# Altium PCB STeaMi-VerB1.PcbDoc (part 4 of 5)
Units mm, origin at the board's own origin, x right, y up, seen from the top; angles counter-clockwise.
Board outline 61.3 x 91.91 mm, 4 copper layers (Top Layer, Mid-Layer 1, Mid-Layer 2, Bottom Layer), stack 1.573 mm thick; 370 components, 209 nets, 1141 pads, 566 vias.
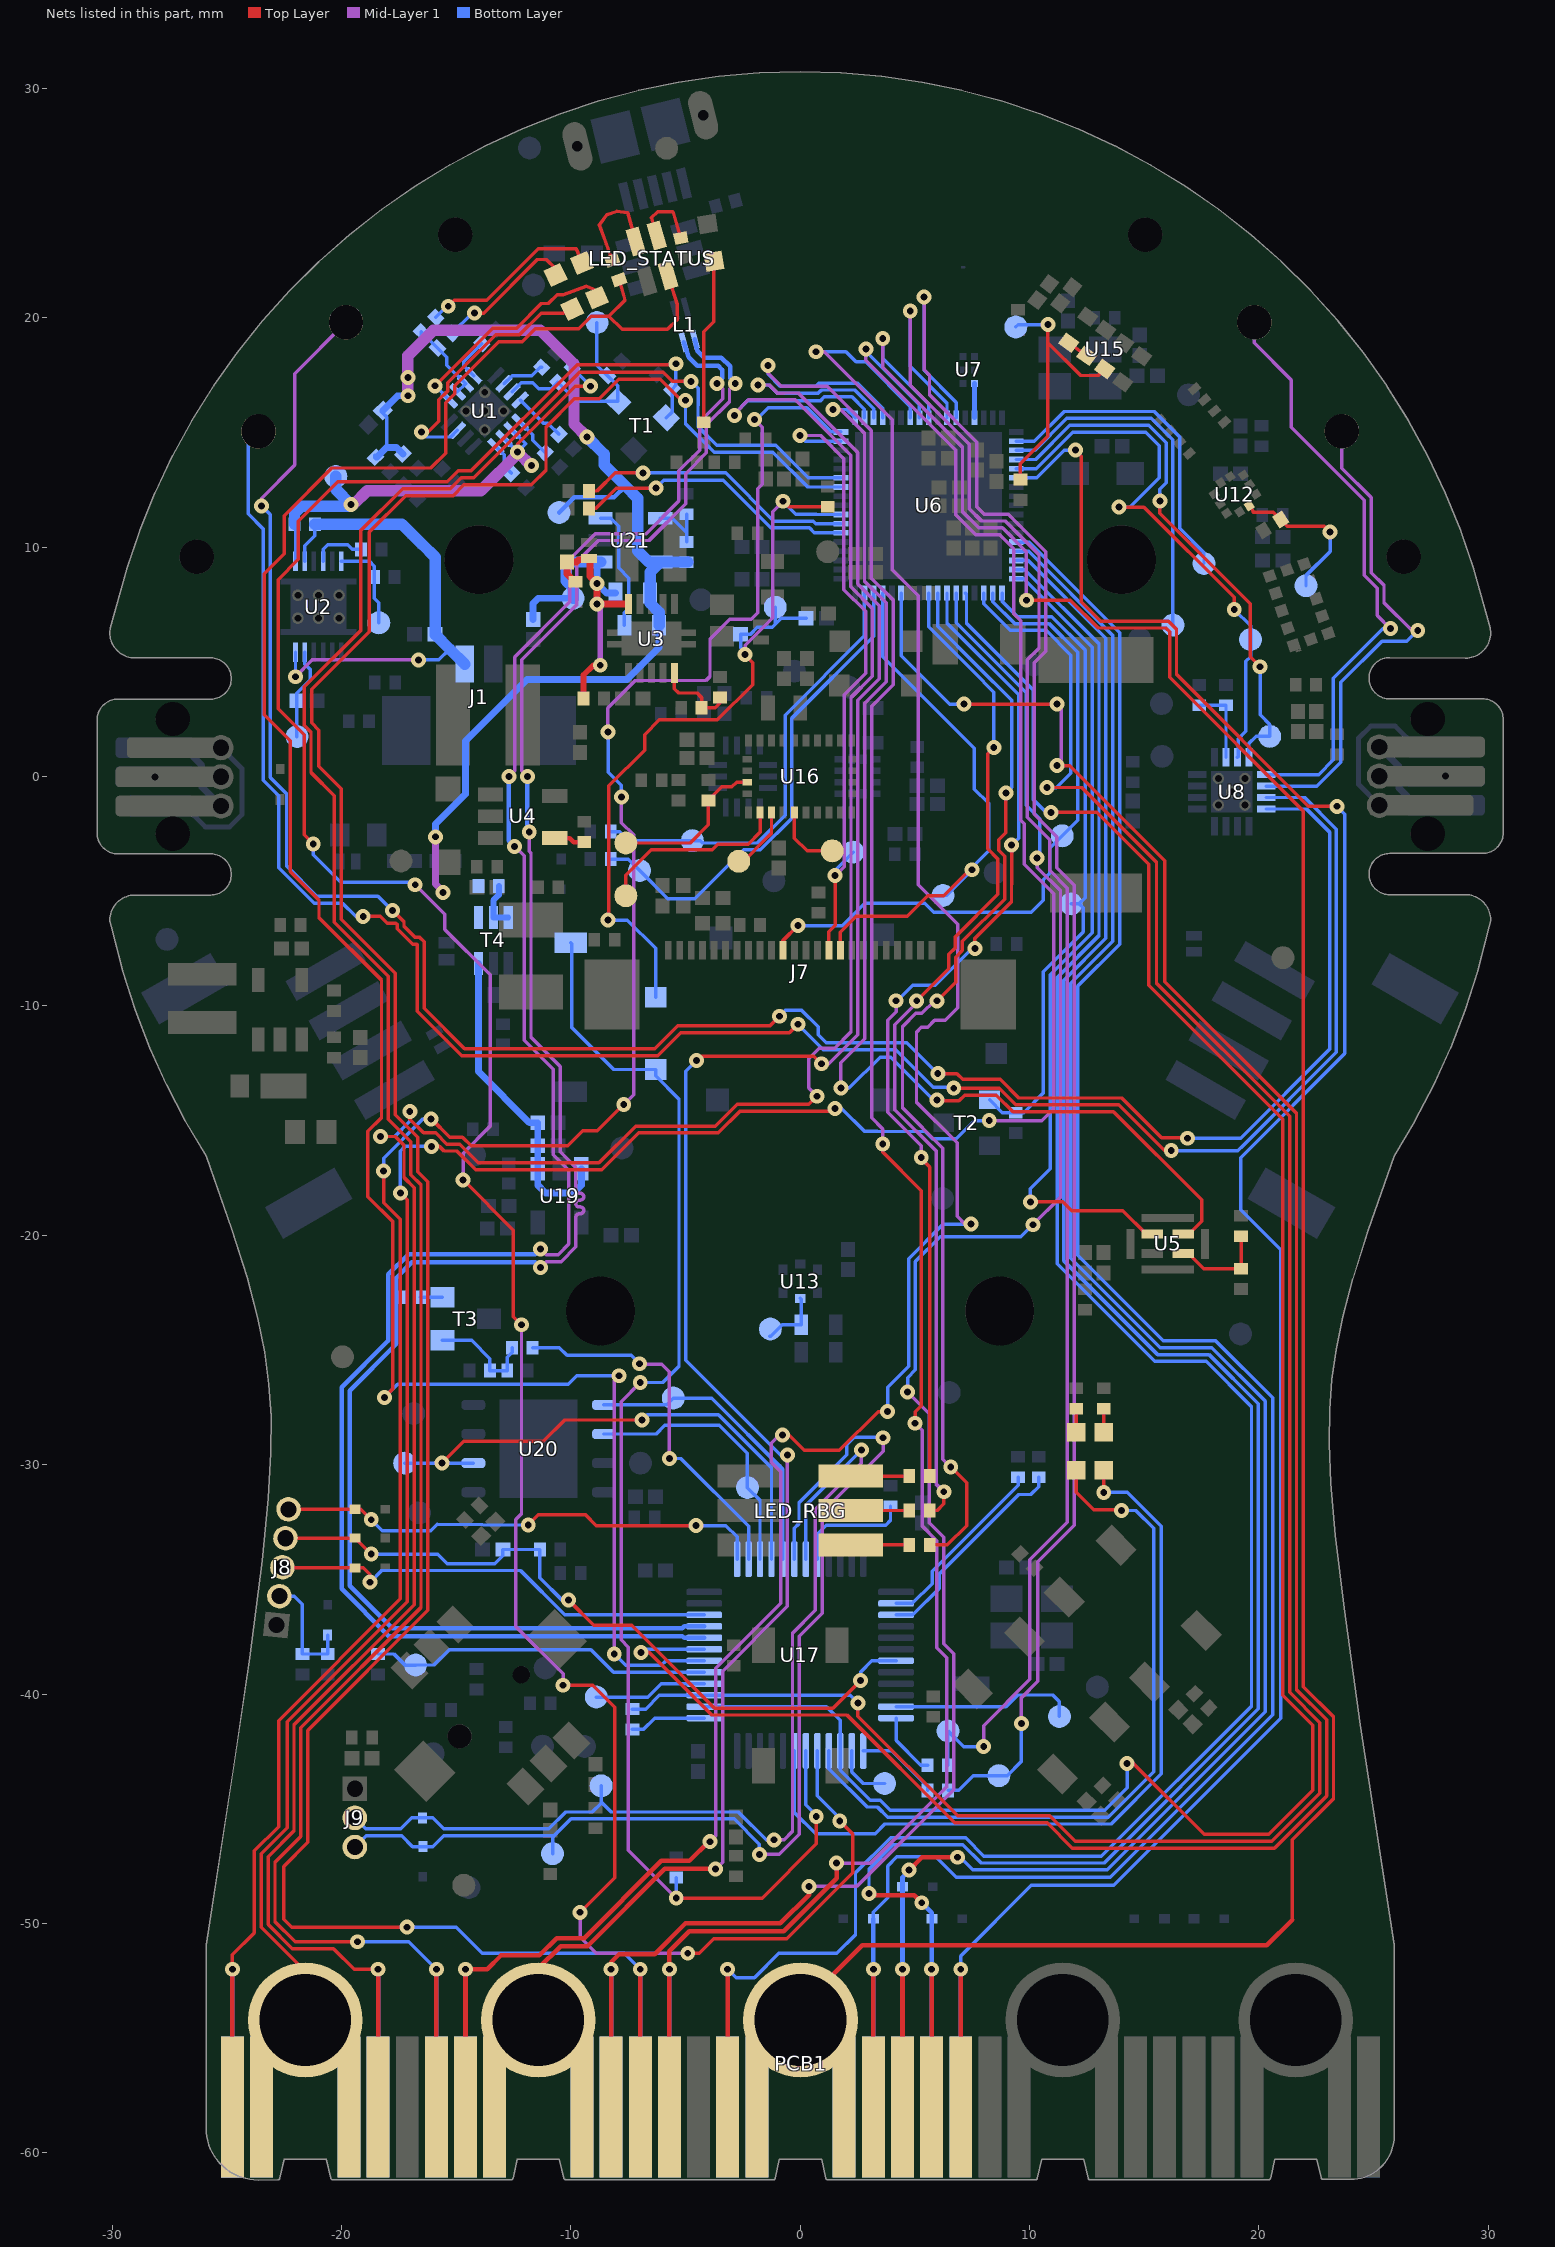
[diagram p6: the nets of this part, all layers, seen from the top]

## Via types
v1: diameter 0.65, hole 0.3, Top Layer to Bottom Layer, tented both sides, 562 vias
v2: diameter 0.65, hole 0.3, Top Layer to Bottom Layer, 4 vias

## Nets (pads, with @x,y where several pads share a name; then routed paths per layer and width w, separated by ;. In a path a pad name is that pad's centre, name@x,y a point inside that pad or via, vN(x,y) a via of type N, cw(c..) or ccw(c..) an arc to the next point about the centre after c; other vN are vias at no path point) (continued)
NetLED1_A: LED1.A R1.1 | length 6.3
  Top Layer w0.15: v1(-14.2,20.2) -13.8,20.2 -11.461,22.539 -11.074,22.539 -10.663,22.128 LED1.A@-10.663,21.863
  Bottom Layer w0.15: R1.1@-15.185,19.315 -14.3,20.2 v1(-14.2,20.2)
NetLED1_K: LED1.K U1.7 | length 11.3
  Top Layer w0.15: v1(-16.5,15.012) -16.228,15.012 -15.75,15.49 -15.75,16.416 -15.362,16.804 -15.362,17.157 -13.271,19.248 -12.236,19.248 -11.29,20.193 -10.338,20.193 LED1.K@-9.94,20.38
  Bottom Layer w0.15: v1(-16.5,15.012) -16.288,14.8 -15.233,14.8 U1.7@-14.941,15.092
NetLED_BLE_A: LED_BLE.A R64.2 | length 7.2
  Top Layer w0.15: R64.2@-4.2,15.445 -4.207,15.452 -4.207,19.383 -3.759,19.831 LED_BLE.A@-3.759,22.463
NetLED_CHG_A: LED_CHG.A R53.2 | length 8
  Top Layer w0.15: v1(-15.34,20.5) -15.088,20.753 -13.672,20.753 -11.424,23 -9.763,23 ; -9.75,23 -9.763,23 ; LED_CHG.A@-9.504,22.391 -9.763,23
  Bottom Layer w0.15: R53.2@-15.885,20.015 -15.4,20.5 v1(-15.34,20.5)
NetLED_CHG_K: LED_CHG.K U1.9 | length 9.9
  Top Layer w0.15: v1(-15.912,17.032) -13.396,19.548 -12.36,19.548 -11.289,20.619 -10.979,20.619 -10.598,21 -10.338,21 -9.319,21.371 -9.02,21.25 LED_CHG.K@-8.86,20.872
  Bottom Layer w0.15: v1(-15.912,17.032) U1.9@-15.295,16.414
NetLED_COM_A: LED_COM.A R55.2 | length 1
  Top Layer w0.15: LED_COM.A@13.234,-28.593 R55.2@13.234,-27.563
NetLED_COM_K: LED_COM.K U17.19 | length 35
  Top Layer w0.15: v1(13.234,-31.208) LED_COM.K@13.234,-30.243
  Bottom Layer w0.15: U17.19@-0.25,-42.48 -0.25,-45.164 0.672,-46.086 3.273,-46.086 3.692,-45.667 13.56,-45.667 15.748,-43.479 15.748,-32.692 14.263,-31.208 v1(13.234,-31.208)
NetLED_DAP_A: LED_DAP.A R54.2 | length 1
  Top Layer w0.15: LED_DAP.A@12.034,-28.593 R54.2@12.034,-27.563
NetLED_DAP_K: LED_DAP.K U17.16 | length 32.2
  Top Layer w0.15: LED_DAP.K@12.034,-30.243 12.034,-31.203 12.796,-31.965 13.965,-31.965 v1(14,-32)
  Bottom Layer w0.15: U17.16@1.25,-42.48 1.25,-43.252 2.923,-44.925 3.37,-44.925 3.812,-45.367 13.436,-45.367 15.406,-43.397 15.406,-32.775 14.631,-32 v1(14,-32)
NetLED_RBG_2: LED_RBG.2 R67.2 | length 2.6
  Top Layer w0.15: LED_RBG.2@2.2,-30.5 R67.2@4.755,-30.5
NetLED_RBG_4: LED_RBG.4 R65.2 | length 2.6
  Top Layer w0.15: LED_RBG.4@2.2,-32 R65.2@4.755,-32
NetLED_RBG_6: LED_RBG.6 R66.2 | length 2.6
  Top Layer w0.15: LED_RBG.6@2.2,-33.5 R66.2@4.755,-33.5
NetLED_STATUS_A1: LED_STATUS.A1 R58.2 | length 4.4
  Top Layer w0.15: R58.2@-8.19,22.501 -8.448,23.21 -8.756,24.056 -8.432,24.489 -8.004,24.632 -7.514,24.577 LED_STATUS.A1@-7.168,23.321
NetLED_STATUS_A2: LED_STATUS.A2 R61.2 | length 3.1
  Top Layer w0.15: LED_STATUS.A2@-6.254,23.583 -6.483,24.352 -6.207,24.628 -5.548,24.628 R61.2@-5.204,23.475
NetLED_STATUS_K2: LED_STATUS.K2 R58.1 U17.30 | length 95.4
  Top Layer w0.15: v1(-18.123,-27.07) -17.752,-26.699 -17.752,-19.412 -18.85,-18.314 -18.85,-15.467 -18.253,-14.87 -18.253,-8.873 -20.976,-6.15 -20.976,-5.39 -22.224,-4.141 -22.224,1.562 -23.361,2.699 -23.361,8.834 -22.485,9.711 -22.485,11.375 -20.412,13.447 -16.097,13.447 -15.45,14.094 -15.45,16.292 -15.062,16.679 -15.062,17.033 -13.147,18.948 -12.111,18.948 -11.544,19.516 -9.652,19.516 -9.102,20.066 -8.34,20.066 ; R58.1@-7.885,21.665 -7.638,20.768 -8.34,20.066 ; LED_STATUS.K2@-5.759,21.852 -5.354,20.595 -5.354,19.92 -5.783,19.491 -7.765,19.491 -8.34,20.066
  Mid-Layer 1 w0.15: v1(-8.105,-38.255) -8.105,-26.334 v1(-7.897,-26.126)
  Bottom Layer w0.15: v1(-18.123,-27.07) -17.553,-26.5 -10.117,-26.5 -9.743,-26.126 v1(-7.897,-26.126) ; v1(-8.105,-38.255) -7.61,-38.75 -6.05,-38.75 -5.85,-38.55 U17.30@-4.18,-38.55
NetPCB1_P0: PCB1.P0 U6.25 | length 111.8
  Top Layer w0.15: PCB1.P0@-21.575,-52.324 -21.575,-52.091 -23.495,-50.171 -23.495,-46.965 -22.367,-45.836 -22.367,-41.216 -17.13,-35.979 -17.13,-18.461 v1(-17.43,-18.161) ; v1(-16.079,-16.129) -15.725,-16.129 -15.528,-16.326 -14.969,-16.326 -14.151,-17.145 -8.647,-17.145 -7.043,-15.54 -3.578,-15.54 -2.625,-14.587 1.415,-14.587 v1(1.524,-14.478)
  Mid-Layer 1 w0.15: v1(2.866,18.634) 2.866,18.142 6.777,14.231 6.777,11.416 7.655,10.538 8.695,10.538 9.313,9.92 9.313,7.087 9.608,6.792 9.608,0.516 9.607,-1.903 9.766,-2.061 9.766,-3.83 11.049,-5.113 11.049,-14.489 10.538,-15 v1(8.242,-15)
  Bottom Layer w0.15: PCB1.P0@-21.6,-54.189 PCB1.P0@-21.575,-54.214 ; v1(-17.43,-18.161) -17.43,-16.33 -17.229,-16.129 v1(-16.079,-16.129) ; v1(1.524,-14.478) 1.821,-14.478 2.818,-15.475 3.371,-15.475 3.372,-15.476 5.451,-15.476 5.764,-15.79 6.802,-15.79 7.593,-15 v1(8.242,-15) ; v1(2.866,18.634) 2.866,18.54 5.2,16.206 U6.25@5.2,15.64
NetPCB1_P1: PCB1.P1 U6.20 | length 96.4
  Top Layer w0.15: v1(-4.511,-12.385) -4.318,-12.192 0.599,-12.192 v1(0.93,-12.523)
  Top Layer w0.2: PCB1.P1@-11.415,-54.214 -11.415,-51.962 -10.444,-50.991 -9.272,-50.991 -5.906,-47.625 v1(-3.683,-47.625)
  Mid-Layer 1 w0.15: v1(-3.683,-47.625) -3.383,-47.325 -3.383,-39 -0.556,-36.173 v1(-0.556,-29.573) ; v1(-1.838,17.068) -1.353,17.068 -1.002,16.716 -0.705,16.716 -0.704,16.718 -0.09,16.718 2.505,14.123 2.505,8.392 3.451,7.447 3.451,4.253 2.515,3.317 2.515,-11.26 1.252,-12.523 v1(0.93,-12.523)
  Bottom Layer w0.15: v1(-4.511,-12.385) -4.984,-12.858 -4.984,-25.455 -2.153,-28.285 ; -2.153,-28.285 -2.083,-28.355 -0.593,-29.845 -0.556,-29.808 v1(-0.556,-29.573) ; v1(-1.838,17.068) -1.353,17.068 -1.002,16.716 0.797,16.716 0.93,16.85 2.382,16.85 3.2,16.032 U6.20@3.2,15.64
NetPCB1_P2: PCB1.P2 U6.26 | length 109.2
  Top Layer w0.15: v1(9.863,7.684) 11.776,7.684 12.988,6.472 15.933,6.472 16.105,6.301 16.105,4.328 21.937,-1.504 21.937,-39.682 23.25,-40.995 23.25,-44.57 21.461,-46.359 21.461,-49.839
  Top Layer w0.2: PCB1.P2@0.015,-54.214 0.015,-53.639 2.7,-50.954 20.346,-50.954 21.461,-49.839
  Mid-Layer 1 w0.15: v1(3.6,19.1) 3.6,17.832 7.077,14.355 7.077,11.54 7.779,10.838 8.819,10.838 9.863,9.794 v1(9.863,7.684)
  Bottom Layer w0.15: v1(3.6,19.1) 3.6,18.23 5.6,16.23 U6.26@5.6,15.64
NetPCB1_P3: PCB1.P3 U6.17 | length 103.3
  Top Layer w0.15: v1(-24.75,-52) -24.75,-51.372 -23.795,-50.417 -23.795,-46.841 -22.733,-45.778 -22.733,-41.158 -17.43,-35.855 -17.43,-19.31 -18.16,-18.579 v1(-18.16,-17.2) ; v1(-16.092,-14.932) -16.073,-14.932 -15.279,-15.726 -14.721,-15.726 -14.348,-16.1 -10.132,-16.1 -9.478,-15.446 -8.84,-15.446 v1(-7.69,-14.296)
  Top Layer w0.2: PCB1.P3@-24.75,-58 v1(-24.75,-52)
  Mid-Layer 1 w0.15: v1(-8.382,1.947) -8.382,2.984 -7.182,4.184 -4.106,4.184 -3.93,4.36 -3.93,5.985 -3.065,6.85 -2.135,6.85 -1.844,7.141 -1.844,12.538 -1.65,12.732 -1.65,15.223 -1.693,15.266 -1.693,15.268 v1(-1.984,15.559) ; v1(-7.792,-0.889) -7.792,-2.008 -7.262,-2.538 -7.262,-13.868 v1(-7.69,-14.296)
  Bottom Layer w0.15: v1(-18.16,-17.2) -18.16,-16.636 -16.456,-14.932 v1(-16.092,-14.932) ; v1(-8.382,1.947) -8.372,1.936 -8.372,0.188 -7.792,-0.391 v1(-7.792,-0.889) ; v1(-1.984,15.559) -1.911,15.559 -1.4,16.07 -0.116,16.07 ; -0.115,16.071 0.298,16.071 1.348,15.02 U6.17@1.78,15.02
  Bottom Layer w0.2: PCB1.P3@-24.75,-58 v1(-24.75,-52)
NetPCB1_P4: PCB1.P4 U6.19 | length 120.7
  Top Layer w0.15: v1(-18.4,-52) -19.445,-52 -20.345,-51.1 -22.142,-51.1 -23.195,-50.046 -23.195,-47.089 -22.067,-45.961 -22.067,-41.34 -16.83,-36.104 -16.83,-17.925 -17.272,-17.483 -17.272,-16.073 -17.65,-15.695 v1(-18.3,-15.695) ; v1(-17.018,-14.605) -17.018,-14.943 -16.421,-15.54 -15.89,-15.54 -15.403,-16.026 -14.845,-16.026 -14.027,-16.845 -8.772,-16.845 -7.167,-15.24 -3.702,-15.24 -2.749,-14.287 0.38,-14.287 v1(0.727,-13.94)
  Top Layer w0.2: PCB1.P4@-18.4,-58 v1(-18.4,-52)
  Mid-Layer 1 w0.15: v1(-2.857,15.737) -2.857,15.819 -2.257,16.418 -1.536,16.418 -1.534,16.416 -0.581,16.416 -0.579,16.418 -0.215,16.418 2.205,13.999 2.205,8.268 3.151,7.322 3.151,4.378 2.215,3.442 2.215,-11.136 1.511,-11.839 0.836,-11.839 0.366,-12.31 0.366,-13.579 v1(0.727,-13.94)
  Bottom Layer w0.15: v1(-18.3,-15.695) -17.678,-15.695 -17.018,-15.035 v1(-17.018,-14.605) ; v1(-2.857,15.737) -2.857,15.819 -2.305,16.371 -1.435,16.371 ; -1.434,16.37 -0.24,16.37 ; -0.239,16.371 0.875,16.371 1.055,16.55 2.258,16.55 2.8,16.008 U6.19@2.8,15.64
  Bottom Layer w0.2: PCB1.P4@-18.4,-58 v1(-18.4,-52)
NetPCB1_P6: PCB1.P6 U6.12 | length 113
  Top Layer w0.15: v1(-19.304,-50.8) -22.017,-50.8 -22.895,-49.922 -22.895,-47.34 -21.767,-46.212 -21.767,-41.465 -16.53,-36.228 -16.53,-17.8 -16.972,-17.358 -16.972,-15.921 -17.953,-14.94 -17.953,-8.703 -20.303,-6.353 -20.303,-0.846 -21.324,0.175 -21.324,1.935 -21.616,2.226 -21.616,3.909 -19.147,6.377 -19.147,10.726 -17.326,12.547 -15.256,12.547 -14.783,13.02 -14.224,13.02 -9.622,17.623 -5.974,17.623 -5.576,17.224 v1(-4.757,17.224)
  Top Layer w0.2: PCB1.P6@-15.86,-58 v1(-15.86,-52)
  Bottom Layer w0.15: v1(-19.304,-50.8) -17.06,-50.8 v1(-15.86,-52) ; v1(-4.757,17.224) -4.45,16.916 -4.45,16.172 -4.453,16.169 -4.453,15.258 -3.63,14.435 -1.067,14.435 0.348,13.02 U6.12@1.78,13.02
  Bottom Layer w0.2: PCB1.P6@-15.86,-58 v1(-15.86,-52)
NetPCB1_P7: PCB1.P7 U6.24 | length 109.1
  Top Layer w0.15: v1(-0.766,-28.702) -0.5,-28.702 0.177,-29.379 1.712,-29.379 3.405,-27.686 v1(3.81,-27.686)
  Top Layer w0.2: PCB1.P7@-14.59,-58 v1(-14.59,-52) -13.646,-52 -13.042,-51.396 -11.369,-51.396 -10.613,-50.641 -9.417,-50.641 -6.051,-47.275 -4.827,-47.275 -3.99,-46.438 v1(-3.937,-46.438)
  Mid-Layer 1 w0.15: v1(-3.937,-46.438) -3.683,-46.184 -3.683,-38.869 -1.459,-36.645 -1.452,-36.645 -0.856,-36.049 -0.856,-30.307 -1.27,-29.893 -1.27,-29.075 -0.897,-28.702 v1(-0.766,-28.702) ; v1(0.685,18.516) 1.047,18.516 4.005,15.558 4.005,9.014 5.142,7.876 5.142,-4.714 6.863,-6.435 6.863,-10.087 6.321,-10.629 5.856,-10.629 5.556,-10.929 5.287,-10.929 5.072,-11.144 5.072,-14.199 6.842,-15.969 6.842,-19.173 7.184,-19.516 v1(7.453,-19.516)
  Bottom Layer w0.15: v1(0.685,18.516) 1.997,18.516 2.434,18.079 2.85,18.079 4.8,16.13 U6.24@4.8,15.64 ; v1(3.81,-27.686) 3.81,-26.628 4.725,-25.713 4.725,-21.019 6.228,-19.516 v1(7.453,-19.516)
  Bottom Layer w0.2: PCB1.P7@-14.59,-58 v1(-14.59,-52)
NetPCB1_P8: PCB1.P8 U6.57 | length 90.4
  Top Layer w0.2: PCB1.P8@-8.24,-58 v1(-8.24,-52) -8.24,-51.684 -7.896,-51.341 -6.342,-51.341 -5,-49.998 -0.866,-49.998 0.388,-48.744 v1(0.388,-48.384)
  Mid-Layer 1 w0.15: v1(0.388,-48.384) 2.477,-48.384 6.696,-44.165 6.696,-38.238 6.263,-37.806 6.263,-33.174 5.623,-32.533 5.623,-27.779 v1(4.684,-26.84) ; v1(10.145,-19.541) 11.349,-18.338 11.349,-4.989 10.331,-3.971 v1(10.331,-3.556)
  Bottom Layer w0.15: v1(4.684,-26.84) 4.684,-26.213 5.025,-25.872 5.025,-21.143 6.103,-20.065 7.224,-20.065 7.225,-20.066 9.621,-20.066 v1(10.145,-19.541) ; U6.57@6.8,8 6.8,6.699 9.85,3.649 9.85,-1.248 10.447,-1.846 10.447,-3.439 v1(10.331,-3.556)
  Bottom Layer w0.2: PCB1.P8@-8.24,-58 v1(-8.24,-52)
NetPCB1_P9: PCB1.P9 U6.11 | length 121.7
  Top Layer w0.15: v1(-17.145,-50.165) -22.167,-50.165 -22.52,-49.812 -22.52,-47.519 -21.467,-46.466 -21.467,-41.589 -16.23,-36.352 -16.23,-17.676 -16.672,-17.234 -16.672,-15.729 -17.653,-14.748 -17.653,-8.579 -20.003,-6.229 -20.003,-0.528 -20.985,0.455 -20.985,2.02 -21.3,2.335 -21.3,3.8 -18.79,6.31 -18.79,10.118 -18.795,10.122 -18.795,10.396 -18.79,10.401 -18.79,10.659 -17.201,12.247 -15.132,12.247 -14.659,12.72 -11.718,12.72 -11.081,13.356 -11.081,15.227 -9.844,16.465 -8.758,16.465 -7.9,17.323 -6.099,17.323 -5.176,16.4 v1(-5,16.4)
  Top Layer w0.2: PCB1.P9@-6.97,-58 v1(-6.97,-52)
  Bottom Layer w0.15: v1(-17.145,-50.165) -14.986,-50.165 -13.851,-51.3 -7.67,-51.3 v1(-6.97,-52) ; v1(-5,16.4) -5,15.38 -3.755,14.135 -1.192,14.135 0.323,12.62 U6.11@1.78,12.62
  Bottom Layer w0.2: v1@-17.154,-50.165 v1(-17.145,-50.165) ; PCB1.P9@-6.97,-58 v1(-6.97,-52)
NetPCB1_P10: PCB1.P10 U6.21 | length 102.1
  Top Layer w0.15: v1(3.6,-16.026) 3.6,-16.372 5.287,-18.059 5.287,-27.424 5.01,-27.701 v1(5.01,-28.194)
  Top Layer w0.2: PCB1.P10@-5.7,-58 v1(-5.7,-52) -5.7,-51.209 -4.839,-50.348 -0.721,-50.348 1.588,-48.039 v1(1.588,-47.371)
  Mid-Layer 1 w0.15: v1(-1.4,17.909) -1.4,17.587 -0.832,17.018 1.183,17.018 2.65,15.552 2.65,15.537 3.105,15.082 3.105,8.641 4.051,7.695 4.051,4.005 3.115,3.069 3.115,-14.882 3.6,-15.367 v1(3.6,-16.026) ; v1(1.588,-47.371) 3.065,-47.371 6.396,-44.04 6.396,-38.424 5.96,-37.989 5.96,-33.313 5.323,-32.676 5.323,-28.507 v1(5.01,-28.194)
  Bottom Layer w0.15: v1(-1.4,17.909) -1.4,17.539 -0.878,17.016 0.673,17.016 0.806,17.15 2.507,17.15 3.6,16.057 U6.21@3.6,15.64
  Bottom Layer w0.2: PCB1.P10@-5.7,-58 v1(-5.7,-52)
NetPCB1_P12: PCB1.P12 U6.50 | length 99
  Top Layer w0.2: PCB1.P12@-3.16,-58 v1(-3.16,-52)
  Bottom Layer w0.15: PCB1.P12@-3.16,-58 v1(-3.16,-52) -2.794,-52.366 -1.991,-52.366 -0.933,-51.308 1.592,-51.308 2.411,-50.489 2.411,-47.797 3.941,-46.267 7.21,-46.267 8.01,-47.067 13.134,-47.067 19.675,-40.526 19.675,-27.476 17.699,-25.5 15.455,-25.5 11.2,-21.245 11.2,-8.762 13.028,-6.934 13.028,5.78 9.788,9.02 U6.50@9.42,9.02
NetPCB1_P16: PCB1.P16 U6.40 | length 99.1
  Top Layer w0.15: v1(12,14.227) 12.26,13.967 12.26,7.624 13.112,6.772 16.058,6.772 16.405,6.425 16.405,4.452 22.157,-1.3 v1(23.4,-1.3)
  Top Layer w0.2: PCB1.P16@7,-58 v1(7,-52)
  Bottom Layer w0.15: v1(7,-52) 7,-51.421 10.079,-48.342 13.662,-48.342 20.95,-41.054 20.95,-20.63 19.2,-18.88 19.2,-16.624 23.749,-12.075 23.749,-1.649 v1(23.4,-1.3) ; U6.40@9.42,13.02 10.311,13.02 11.517,14.227 v1(12,14.227)
  Bottom Layer w0.2: PCB1.P16@7,-58 v1(7,-52)
NetR2_1: R2.1 R9.2 T1.3 TP51.1 U1.15 | length 9.1
  Bottom Layer w0.15: U1.15@-12.559,16.768 -12.156,17.17 -11.658,17.17 -11.392,16.904 -10.846,16.904 R2.1@-10.565,17.185 -9.729,16.35 T1.3@-8,16.35 ; TP51.1@-8.86,19.786 -8.86,17.935 R9.2@-8.4,17.475 -7.954,17.029 T1.3@-7.954,16.35
NetR10_2: R10.2 U1.14 | length 1.9
  Bottom Layer w0.15: U1.14@-12.912,17.121 -12.559,17.475 -11.7,17.475 -11.334,17.84 R10.2@-11.268,17.84
NetR11_2: R11.2 U1.4 | length 1.5
  Bottom Layer w0.15: U1.4@-13.266,14.385 -12.9,14.019 -12.9,13.529 R11.2@-12.585,13.215
NetR12_2: R12.2 U1.1 | length 1.8
  Bottom Layer w0.15: U1.1@-12.205,15.446 -11.66,14.9 -11.66,14.66 R12.2@-11.115,14.115
NetR13_2: R13.2 U1.12 | length 1.9
  Bottom Layer w0.15: U1.12@-14.234,17.475 -14.671,17.911 -14.671,18.079 R13.2@-13.879,18.871
NetR14_2: R14.2 U1.16 | length 2.3
  Bottom Layer w0.15: U1.16@-12.205,16.414 -11.191,15.4 -11,15.4 R14.2@-10.515,14.915
NetR17_1: R17.1 TP2.1 U2.12 | length 4.1
  Bottom Layer w0.15: U2.12@-20,9.375 -18.775,9.375 -18.572,9.172 R17.1@-18.572,8.696 -18.572,7.772 -18.368,7.568 TP2.1@-18.368,6.7
NetR19_2: R19.2 U2.10 | length 2.3
  Bottom Layer w0.15: U2.10@-20.8,9.375 -20.8,9.9 -20.6,10.1 -19.72,10.1 -19.52,9.9 R19.2@-19.145,9.9
NetR22_1: R22.1 R23.2 U3.10 | length 3.6
  Top Layer w0.15: U3.10@-5.482,4.502 -5.482,3.821 -5.3,3.64 -4.496,3.64 -4.3,3.444 R23.2@-4.3,3 -3.7,3 -3.5,3.2 R22.1@-3.5,3.445
NetR26_2: R26.2 U4.4 | length 1.4
  Top Layer w0.2: U4.4@-10.7,-2.686 -10.039,-2.686 -9.866,-2.86 R26.2@-9.413,-2.86
NetR29_1: R29.1 R30.2 U5.4 | length 4
  Top Layer w0.15: U5.4@16.947,-20.8 17.602,-21.455 R29.1@19.222,-21.455 R30.2@19.222,-20.045
NetR51_1: R51.1 R52.2 U8.6 | length 3.4
  Bottom Layer w0.15: R51.1@17.4,3.102 17.402,3.1 R52.2@18.564,3.1 U8.6@18.564,0.834
NetR63_1: R63.1 T4.5 T4.6 | length 2.1
  Bottom Layer w0.254: R63.1@-13.135,-4.773 -13.135,-5.16 -13.375,-5.4 T4.5@-13.375,-6.15 T4.6@-12.725,-6.15
NetR65_1: R65.1 U6.60 | length 44.7
  Top Layer w0.15: v1(5.08,-9.779) 6.475,-8.384 6.475,-7.758 6.77,-7.463 6.77,-6.979 8.612,-5.137 8.612,-4.45 8.616,-4.447 8.616,-3.596 8.17,-3.15 8.17,0.994 v1(8.441,1.265) ; R65.1@5.645,-32 5.969,-32 6.262,-31.708 v1(6.262,-31.181)
  Mid-Layer 1 w0.15: v1(5.08,-9.779) 5.122,-9.821 4.126,-10.817 4.126,-14.526 5.923,-16.323 5.923,-30.842 v1(6.262,-31.181)
  Bottom Layer w0.15: U6.60@5.6,8 5.6,6.521 7.562,4.558 8.441,3.68 v1(8.441,1.265)
NetR66_1: R66.1 U6.59 | length 47.5
  Top Layer w0.15: R66.1@5.645,-33.5 6.414,-33.5 7.258,-32.657 7.258,-30.793 v1(6.563,-30.099) ; v1(5.969,-9.779) 6.775,-8.973 6.775,-7.882 7.07,-7.587 7.07,-7.186 8.912,-5.344 8.912,-4.575 8.916,-4.571 8.916,-3.472 8.666,-3.222 8.666,-2.766 8.97,-2.462 v1(8.97,-0.726)
  Mid-Layer 1 w0.15: v1(5.969,-9.779) 5.858,-9.779 5.308,-10.329 5.038,-10.329 4.46,-10.907 4.46,-14.436 6.223,-16.199 6.223,-29.759 v1(6.563,-30.099)
  Bottom Layer w0.15: U6.59@6,8 6,6.545 7.687,4.858 9.216,3.33 9.216,-0.48 v1(8.97,-0.726)
NetR67_1: R67.1 U6.58 | length 43.7
  Top Layer w0.15: v1(5.279,-16.603) 5.223,-16.603 5.645,-17.025 R67.1@5.645,-30.5 ; v1(7.62,-7.493) 7.62,-7.06 9.212,-5.468 9.212,-4.699 9.216,-4.695 v1(9.216,-2.994)
  Mid-Layer 1 w0.15: v1(4.18,-9.776) 4.18,-10.261 3.816,-10.625 3.816,-14.64 5.279,-16.104 v1(5.279,-16.603)
  Bottom Layer w0.15: v1(4.18,-9.776) 4.237,-9.776 4.904,-9.109 5.891,-9.109 7.507,-7.493 v1(7.62,-7.493) ; U6.58@6.4,8 6.4,6.674 9.52,3.555 9.52,-2.69 v1(9.216,-2.994)
NetR69_2: R69.2 T2.1 TP70.1 U6.52 | length 28.4
  Bottom Layer w0.15: T2.1@8.256,-14.096 8.815,-14.655 R69.2@9.4,-14.655 9.745,-14.655 10.6,-13.8 10.6,-8.513 12.332,-6.781 12.332,-5.729 TP70.1@12.155,-5.552 ; U6.52@8.8,8 8.8,7.642 9.474,6.968 10.973,6.968 12.428,5.513 12.428,-5.279 TP70.1@12.155,-5.552 ; TP70.1@11.808,-5.552 TP70.1@12.155,-5.552
NetR78_1: R78.1 TP30.1 U12.7 | length 6.8
  Top Layer w0.15: U12.7@19.578,11.808 U12.7@19.579,11.805 19.76,11.526 20.628,11.526 21.242,10.912 22.85,10.912 v1(23.1,10.662)
  Bottom Layer w0.15: TP30.1@22.053,8.315 22.053,8.761 23.1,9.808 v1(23.1,10.662)
NetR82_1: R82.1 TP31.1 U13.3 | length 2.7
  Bottom Layer w0.15: TP31.1@-1.32,-24.4 -1.29,-24.4 -0.79,-23.9 R82.1@0.044,-23.9 0.044,-22.794 U13.3@0,-22.75
NetR85_1: R85.1 TP32.1 U15.2 | length 11.9
  Top Layer w0.15: R85.1@9.6,12.945 9.6,13.64 10.795,14.835 10.795,18.91 10.8,18.915 ; v1(10.8,19.7) 10.8,18.915 ; U15.2@13.279,17.763 12.997,17.482 12.233,17.482 10.8,18.915
  Bottom Layer w0.15: TP32.1@9.4,19.6 9.5,19.7 v1(10.8,19.7)
NetR88_1: R88.1 TP33.1 U16.4 | length 7
  Top Layer w0.15: TP33.1@-7.6,-2.9 TP33.1@-7.6,-2.9 -4.793,-2.899 -4,-2.105 R88.1@-4,-1.045 -3.41,-0.455 -2.979,-0.455 -2.774,-0.25 U16.4@-2.312,-0.25
NetR89_2: R89.2 U21.3 | length 5.5
  Bottom Layer w0.15: U21.3@-8.7,11.25 -8.25,11.25 -7.913,10.913 -7.913,9.1 -7.464,8.651 -7.464,7.336 -7.662,7.138 R89.2@-7.662,6.6